# KiCad board FlightComputer.kicad_pcb (continued)
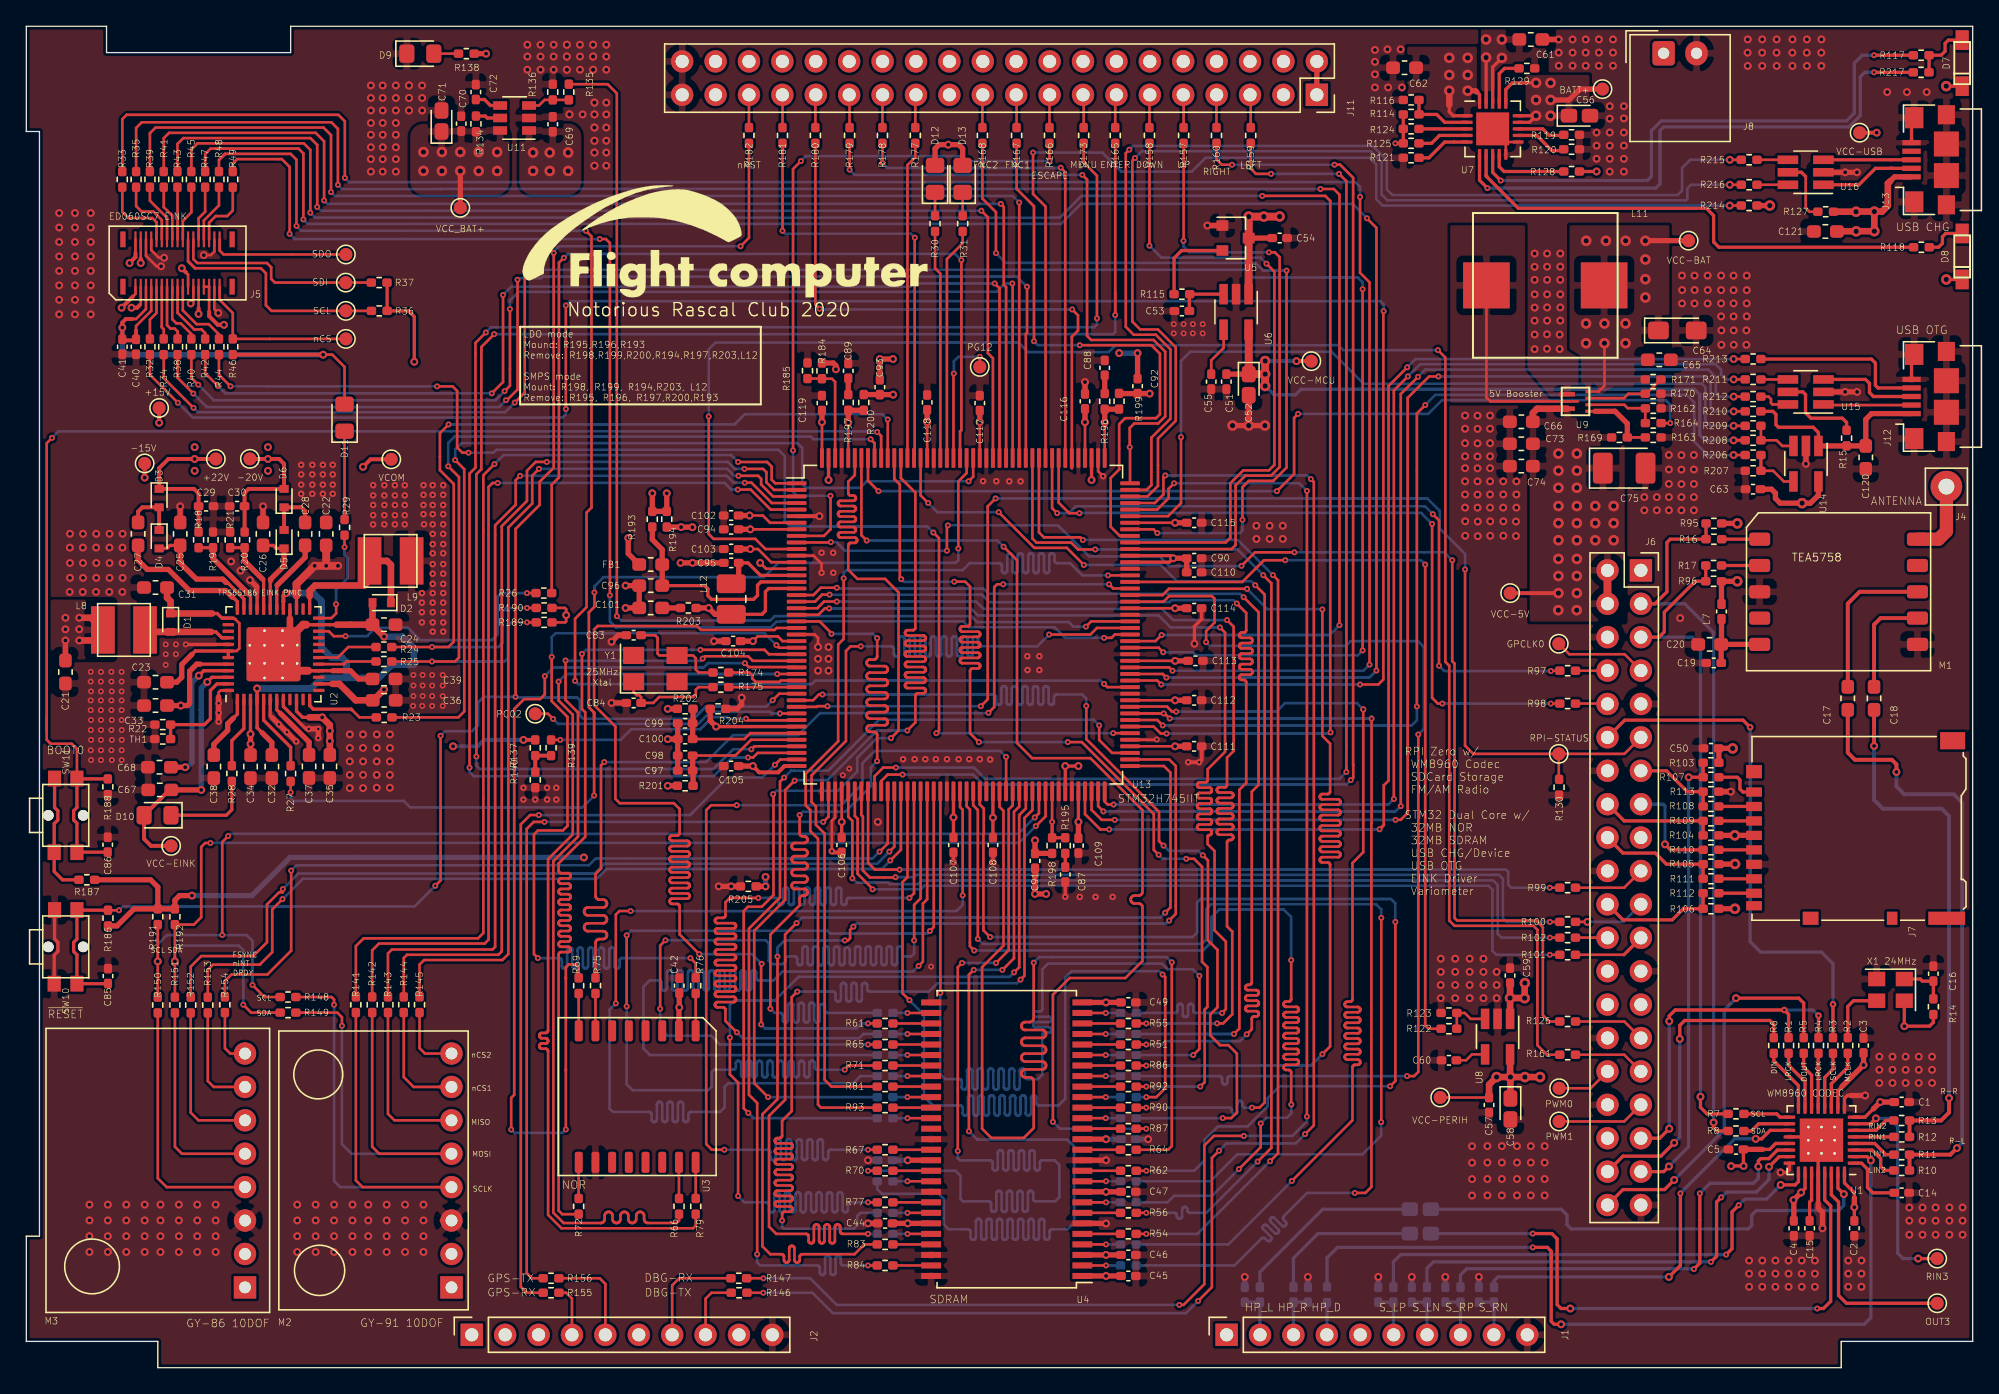
[diagram p0: board, top side]
## Routing (per net, layer and track width the routed paths; a pad name or vN(x,y) marks a point on that pad's centre or on a via; arc(x,y) is an arc through that point) (continued)
  Top w0.4: C67.2 13.29,43.94 v2(13.3,43.93)
  In2.Cu w0.4: 22.57,77.04 28.95,77.04 v2(29.5,76.49) 29.5,61.92 28.64,61.06 28.64,43.57 28,42.93 14.3,42.93 v2(13.3,43.93)
  Bottom w0.4: v2(7.3,79.09) 7.3,77.44 7.71,77.03 v2(22.57,77.03) ; v2(13.3,43.93) 13.3,49.34 ; 13.3,49.34 13.3,51.68 v2(13.76,52.14) ; 13.3,49.34 13.3,50.86
VCC_MCU: length 196
  Top w0.2: R190.1 40.95,57.77 41.05,57.67 v2(41.05,57.23) 41.05,56.75 40.98,56.67 R189.1 ; U13.99 v2(87.35,50.75) ; v2(55.25,55.25) 55.61,55.61 57.15,55.61 57.51,55.25 U13.25 ; U13.105 v2(87.35,53.75) ; U13.113 v2(87.35,57.75) ; U13.126 v2(87.35,64.25) ; v2(62,41.5) U13.48 ; U13.136 v2(80.5,71.9) ; v2(55.05,62.25) 55.64,62.25 56.64,61.25 U13.13 ; U13.152 v2(72.5,71.9) ; U13.92 v2(87.35,47.25) ; U13.8 v2(55.05,63.75) ; v2(55,64.8) 56,64.8 56.55,64.25 U13.7 ; U13.160 v2(68.5,71.9) ; U13.71 73.5,43.8 ; U13.84 80,43.7 ; U13.176 v2(60.5,71.9)
  Top w0.25: v2(80,41.5) U13.84 ; U13.71 v2(73.5,41.83) C108.1 ; C106.1 v2(62,41.5) ; R208.2 v2(129.82,70.52) ; U13.121 87.01,61.75 v2(87.21,61.55) 86.91,61.25 U13.120 ; C107.1 v2(70.5,41.85) U13.65
  Top w0.3: TP18.1 v2(96.58,76.54) ; U13.44 57.65,45.75 57.17,45.27 55.73,45.27 v2(55.25,45.75)
  Top w0.4: FB1.1 45.77,61.91 v2(45.77,63.09) ; v2(80,41.5) C109.1 ; C105.1 v2(55.25,45.75) ; v2(87.21,61.55) C90.1 C110.1 ; R184.1 61.36,76.4 61.56,76.2 v2(61.56,75.92) ; R191.1 R192.1 11.3,35.55 11.65,35.9 v2(12.6,35.9) 12.59,35.92 ; R191.1 10,36.55 9.45,37.1 R187.2 ; R191.1 8.19,34.89 6.89,33.59 R186.2 ; v2(87.35,50.75) C112.1 ; v2(87.35,53.75) C113.1 ; D12.2 69.1,92.7 69.4,93 v2(70.1,93) 70.9,93 71.2,92.7 D13.2 ; C104.1 v2(55.25,55.25) ; C116.1 v2(80.5,71.9) ; C94.1 v2(55.05,63.75) ; v2(87.35,57.75) C114.1 ; v2(87.35,47.25) C111.1 ; v2(87.35,64.25) C115.1 ; C52.1 91.25,75.55 C51.1 ; C102.1 v2(55,64.8) ; v2(72.5,71.9) C117.1 ; J11.1 J11.2 ; C103.1 v2(55.05,62.25) ; R202.2 v2(48.77,50.1) ; v2(68.5,71.9) C118.1 ; v2(60.5,71.9) C119.1 ; R201.2 v2(48.77,44.25)
  Top w0.6: v4(94.2,75.55) C52.1 92.95,78.92 U6.5 ; v4(94.2,75.55) v4(94.2,74.65) ; v4(94.2,75.55) v4(94.2,76.55)
  Bottom w0.25: v4(94.2,74.65) 94.88,73.97 96.5,73.97 96.92,74.4 126.85,74.4 127.24,74.01 127.24,70.93 127.65,70.52 v2(129.82,70.52)
  Bottom w0.3: v2(96.58,76.54) 94.21,76.54 v4(94.2,76.55)
  Bottom w0.4: v2(12.6,35.9) 17.15,35.9 20.05,38.8 v2(42.4,38.8)
VCC_PERIH: length 46.6
  Top w0.2: TP20.1 107.52,20.54 C57.1
  Top w0.25: v2(13.12,52.62) 13.49,53 U2.45
  Top w0.4: C68.2 v2(12.08,45.66) ; C47.2 v2(82.1,13.38) U4.9 ; U4.27 v2(82.1,27.78) C49.2 ; U4.1 v2(82.1,6.97) C45.2 ; C46.2 v2(82.1,8.58) U4.3 ; C44.2 v2(67.03,10.97) U4.49 ; 49.63,25.62 U3.2 49.62,27.38 v2(49.65,27.4) C42.1 ; U4.14 v2(82.1,17.38) ; U4.43 v2(67.03,15.78)
  Top w0.5: C57.1 111.22,21.53 v4(111.8,22.1) v4(112.85,22.1) ; C58.1 v4(112.85,22.1) ; v4(112.85,22.1) 112.83,22.12 U8.5 112.88,23.78 ; v4(112.85,22.1) v4(113.95,22.1) v4(115.1,22.1)
  Bottom w0.4: C43.2 v2(67.03,15.78) ; v2(13.12,52.62) 12.6,52.1 12.6,46.02 12.24,45.66 v2(12.08,45.66) ; C48.2 v2(82.1,17.38)
VCC_USB: length 28.4
  Top w0.25: 119.42,90.97 119.44,90.99 ; U7.18 111.5,98.9 v4(112.2,99.6) ; D7.2 v4(145.99,97.45) ; U7.19 v4(111,99.62) ; v1(104.1,93.1) R125.2 R124.2 R114.1 ; v4(145.99,82.75) D8.2 ; R128.2 v2(119.4,90.96)
  Top w0.3: TP23.1 v2(140.7,93.91)
  Top w0.4: J13.1 142.05,90.55 141.72,90.22 ; R214.2 v4(132.57,88.37)
  Top w0.5: R127.1 v4(139.13,87.9) 139.14,87.91 v4(140.52,87.91) ; v4(140.52,87.91) v4(140.52,86.42) 139.15,86.42 v4(139.14,86.41) 137.69,86.41 C121.1 ; v4(140.52,87.91) 141.11,87.91 141.55,88.35 141.55,90.05 141.72,90.22
  vias: v4(111,101) v4(112.2,101)
+BATT: length 10.8
  Top w0.25: U7.16 112.5,97.2 113,97.7 v4(114.8,97.7) ; U7.15 v4(114.8,95.2) 114.3,94.7 U7.14
  Top w0.4: v4(115.9,96.4) 117.3,96.4 118.12,97.22 TP17.1
  vias: v4(114.8,96.4) v4(115.9,97.7) v4(115.9,95.2)
/Codec/HPDETECT: length 2.5
  Bottom w0.25: J1.4 98.9,2.51 R9.2
/Codec/I2C_SCL: length 51
  Top w0.25: J6.5 124.15,55.55 124.55,55.95 124.55,57.45 126.9,59.8 R96.2 R17.2 ; v2(127.3,20.6) 127.3,19.8 127.8,19.3 R7.2
  Bottom w0.25: v2(127.3,20.6) 127.3,54.9 126.65,55.55 J6.5
/Codec/I2C_SDA: length 55.7
  Top w0.25: v2(128.3,18.65) 128.3,18.24 128.54,18 R8.2 ; J6.3 123.84,58.09 124.75,59 124.75,62.75 125,63 R16.2 R95.2
  Bottom w0.25: J6.3 126.11,58.09 128.3,55.9 v2(128.3,18.65)
/Codec/I2S_DIN: length 23.5
  Top w0.25: v2(125.3,17.1) 124.29,16.09 121.41,16.09 J6.38 ; v2(125.72,25) 125.72,26.03 126.1,26.4 132.57,26.4 132.88,26.1 R6.2
  Bottom w0.25: v2(125.72,25) 125.72,17.53 v2(125.3,17.1)
/Codec/I2S_DOUT: length 29.6
  Top w0.25: J6.40 121.41,13.55 124.57,13.55 v2(125.3,14.28) ; v2(130,28.1) 134.78,28.1 135.15,27.72 R5.2
  Bottom w0.25: v2(125.3,14.28) 129.1,18.08 129.1,27.2 v2(130,28.1)
/Codec/I2S_LRCK: length 26.7
  Top w0.25: J6.35 124.2,17.45 v2(124.92,18.17) ; R4.2 v3(136.28,26.78) ; v2(124.92,26.35) 124.92,26.75 125.38,27.2 v3(133.68,27.2) 134,26.88 R1.2
  Bottom w0.25: v3(136.28,26.78) 135.85,27.2 v3(133.68,27.2) ; v2(124.92,18.17) v2(124.92,26.35)
/Codec/I2S_MCLK: length 4.8
  Top w0.25: X1.3 138.94,27.91 138.5,27.47 R2.2
/Codec/I2S_SCLK: length 40.5
  Top w0.25: v3(131.07,48.7) 130.53,49.24 121.54,49.24 J6.12 ; v3(137.38,27.63) 137.38,27.62 R3.2
  Bottom w0.25: v3(137.38,27.63) 137.38,30.72 136.5,31.6 131.88,31.6 131.07,32.4 v3(131.07,48.7)
/Codec/RADIO_L: length 46
  Top w0.3: v2(142.2,45.3) 142.2,45.88 141.85,46.23 139.05,46.23 138.5,46.77 C17.2 ; R10.2 R11.2 146.3,16.2 v2(146.8,16.7)
  Bottom w0.3: v2(146.8,16.7) 147.2,17.1 147.2,42.97 146.57,43.6 142.8,43.6 142.2,44.2 v2(142.2,45.3)
/Codec/RADIO_R: length 40.1
  Top w0.3: R12.2 R13.2 145.6,18.8 146.2,19.4 v2(146.2,20.5) ; C18.2 v2(140.5,47.27)
  Bottom w0.3: v2(140.5,47.27) 140.5,43.17 141.18,42.5 145.65,42.5 146.2,41.95 v2(146.2,20.5)
/DEBUG/DEBUG_JMS-SWDIO: length 50.9
  Top w0.2: R179.1 v1(62.6,91.1) ; U13.132 83.92,69.97 v1(83.9,70) 83.9,71.45 84.25,71.8 86.07,71.8 86.6,72.33 86.6,77.27 85.72,78.15 80.97,78.15 80.66,78.46 80.66,90.34 v1(80.3,90.7)
  Bottom w0.2: v1(80.3,90.7) 63,90.7 v1(62.6,91.1)
/DEBUG/DEBUG_JTCK-SWCLK: length 45.2
  Top w0.2: v1(60.33,80.53) 60,80.85 R180.1 ; v1(79.53,80.47) 79.97,80.03 79.97,78.86 79.5,78.39 79.5,68.39 U13.138
  Bottom w0.2: v1(60.33,80.53) 60.38,80.47 v1(79.53,80.47)
/DEBUG/DEBUG_JTDI: length 37.4
  Top w0.2: v1(78.65,91.25) 79,90.9 U13.139 ; R178.1 v1(65.1,91.61)
  Bottom w0.2: v1(78.65,91.25) 78.62,91.22 65.48,91.22 v1(65.1,91.61)
/DEBUG/DEBUG_JTDO-SWO: length 33.7
  Top w0.2: v1(57.5,86.45) R181.1 ; U13.162 67.5,69.55 67.55,69.6 67.55,85.92 v1(67.56,85.93)
  Bottom w0.2: v1(57.5,86.45) 57.72,86.23 67.26,86.23 v1(67.56,85.93)
/DEBUG/DEBUG_nJTRST: length 24.2
  Top w0.2: R177.1 67.6,92.05 67,91.45 U13.163
/DEBUG/nRST: length 136.8
  Top w0.2: 3.87,34.78 SW10.1 ; v1(56.75,50.75) 57.25,51.25 U13.33 ; 3.87,29.22 SW10.1 ; v1(31.5,48.05) 31.5,37.05 v1(31.1,36.65) ; R186.1 6.22,34.78 v1(7.05,34.78) ; v1(37.2,51.01) 37.2,63.78 39.03,65.61 39.03,67.36 40.1,68.43 v1(40.1,84.77) ; R182.1 54.95,85.91 v1(54.31,85.27)
  Top w0.25: C85.1 6.2,29.2 SW10.1 3.85,31.4 3.6,31.65 3.6,32.35 3.85,32.6 SW10.1 3.86,34.79 R186.1
  Bottom w0.2: v1(31.5,48.05) 31.85,48.4 33.9,48.4 34.35,48.85 34.35,50.59 34.77,51.01 v1(37.2,51.01) 37.25,50.96 41.87,50.96 42.1,50.73 42.1,49.6 42.35,49.35 50.75,49.35 51.68,50.28 56.28,50.28 v1(56.75,50.75) ; v1(54.31,85.27) 40.51,85.27 40.1,84.86 v1(40.1,84.77) ; v1(7.05,34.78) 7.34,35.08 29.52,35.08 v1(31.1,36.65)
/EINK-PMIC/EPD_CKV: length 112.9
  Top w0.2: v1(42.55,86.45) 42.98,86.03 42.98,65.4 42.6,65.03 42.6,57.83 41.72,56.95 v1(41.72,52.23) ; R48.2 14.65,91.83 15.12,92.3 20.1,92.3 20.55,91.86 v1(20.55,86.82) ; U13.101 82.2,51.75 v1(81.95,52) ; 14.65,91.85 15.1,92.3
  Bottom w0.2: v1(81.95,52) 81.7,52.25 60,52.25 59.73,51.98 41.97,51.98 v1(41.72,52.23) 41.99,51.96 ; v1(20.55,86.82) 20.91,86.45 v1(42.55,86.45)
/EINK-PMIC/EPD_CL: length 153.4
  Top w0.2: v1(41.03,80.78) v1(41.03,72.9) ; v1(86.3,51.95) 86,52.25 U13.102 ; R32.1 9.4,75.5 v1(11.52,73.38) ; v1(103.21,80.34) 103.18,80.31 103.18,52.33 102.8,51.95 v1(101.41,51.95)
  Bottom w0.2: v1(86.3,51.95) v1(101.41,51.95) ; v1(11.52,73.38) 12.65,72.25 40.77,72.25 41.03,72.5 v1(41.03,72.9) ; v1(41.03,80.78) 41.35,81.1 102.96,81.1 103.21,80.85 v1(103.21,80.34)
/EINK-PMIC/EPD_D0: length 89.7
  Top w0.2: v1(36.47,73.57) 36.54,73.57 37.35,74.38 v1(37.35,82.73) ; v1(12.7,74.08) 11.5,75.28 R38.1 ; v1(76.09,82.2) 76.09,78.69 76,78.6 U13.145
  Bottom w0.2: v1(12.7,74.08) 13.7,73.08 13.7,73.05 35.95,73.05 v1(36.47,73.57) ; v1(76.09,82.2) 75.33,82.97 39.26,82.97 39.13,82.84 37.46,82.84 v1(37.35,82.73)
/EINK-PMIC/EPD_D1: length 93.7
  Top w0.2: v1(75.5,88.6) U13.146 75.5,69.38 ; v1(23.17,89.39) 23.17,93.73 22.6,94.3 9.83,94.3 9.4,93.87 R39.2
  Bottom w0.2: v1(75.5,88.6) 75,89.1 23.46,89.1 v1(23.17,89.39)
/EINK-PMIC/EPD_D2: length 85.7
  Top w0.2: R40.1 12.55,75.28 v1(13.07,74.75) ; v1(74.97,82.44) 75,82.42 U13.147 ; v1(36.77,80.5) 36.77,74.66 v1(36.37,74.26)
  Bottom w0.2: v1(13.07,74.75) 14.26,73.56 35.67,73.56 v1(36.37,74.26) ; v1(74.97,82.44) 74.55,82.44 74.54,82.45 74.42,82.45 73.79,81.82 67.4,81.82 67.38,81.8 37.43,81.8 36.77,81.15 v1(36.77,80.5)
/EINK-PMIC/EPD_D3: length 90.7
  Top w0.2: R41.2 10.45,93.49 10.86,93.9 22,93.9 22.64,93.25 v1(22.64,88.75) ; v1(74.1,88.5) 74.32,88.28 74.32,82.35 74.5,82.17 U13.148
  Bottom w0.2: v1(74.1,88.5) 22.9,88.5 v1(22.64,88.75)
/EINK-PMIC/EPD_D4: length 82.8
  Top w0.2: U13.149 74,82.08 v1(73.64,82.44) ; v1(35.39,74.09) 36.25,74.95 v1(36.25,81.58) ; R42.1 13.6,75.62 v1(14.57,74.65)
  Bottom w0.2: v1(14.57,74.65) 15.13,74.09 v1(35.39,74.09) ; v1(36.25,81.58) 36.88,82.2 67.21,82.2 67.45,82.44 v1(73.64,82.44)
/EINK-PMIC/EPD_D5: length 87.6
  Top w0.2: R43.2 11.49,93.05 11.94,93.5 21.6,93.5 22.12,92.98 v1(22.12,88.27) ; v1(72.62,87.97) 73.11,87.48 73.11,77.15 73.5,76.76 U13.150
  Bottom w0.2: v1(72.62,87.97) 22.41,87.97 v1(22.12,88.27)
/EINK-PMIC/EPD_D6: length 96.7
  Top w0.2: v1(15.53,74.62) 14.65,75.5 R44.1 ; v1(31.23,74.62) 32.41,74.62 32.76,74.27 32.76,69.97 33.15,69.58 v1(33.62,69.58) ; U13.94 v1(82.65,48.25) ; v1(69.2,48.25) 69.4,48.45 69.4,63.08 v1(68.97,63.51)
  Bottom w0.2: v1(31.23,74.62) 18.36,74.62 18.35,74.62 v1(15.53,74.62) ; v1(68.97,63.51) 68.51,63.97 58.1,63.97 57.67,64.4 57.67,69.32 57.19,69.8 35.74,69.8 35.52,69.58 v1(33.62,69.58) ; v1(82.65,48.25) v1(69.2,48.25)
/EINK-PMIC/EPD_D7: length 150.4
  Top w0.2: v1(86.7,48.22) 86.25,48.22 85.72,48.75 U13.95 ; R45.2 12.55,92.63 13.02,93.1 21.1,93.1 21.59,92.61 v1(21.59,87.83) ; v1(93.98,89.11) 98.77,89.11 99.15,88.72 99.15,48.33 v1(99.17,48.31)
  Bottom w0.2: v1(99.17,48.31) 99.08,48.22 v1(86.7,48.22) ; v1(93.98,89.11) 80.24,89.11 78.58,87.45 21.97,87.45 v1(21.59,87.83)
/EINK-PMIC/EPD_GMODE: length 150
  Top w0.2: v1(102.66,53.01) 102.66,86.68 v1(101.94,87.4) ; U13.103 86.42,52.75 v1(86.69,52.48) ; v1(21.07,87.31) 21.07,92.33 20.7,92.7 14.01,92.7 13.6,92.29 R47.2
  Bottom w0.2: v1(102.66,53.01) 102.12,52.48 v1(86.69,52.48) ; v1(101.94,87.4) 100.84,88.5 80.2,88.5 78.68,86.98 21.41,86.98 v1(21.07,87.31)
/EINK-PMIC/EPD_LE: length 158.9
  Top w0.2: v1(101.41,89.03) 101.41,83.26 102.13,82.53 v1(102.13,53.46) ; U13.104 86.9,53.25 v1(87.15,53) ; v1(24.22,90.48) 24.22,94.78 23.73,95.27 7.63,95.27 7.3,94.94 R33.2
  Bottom w0.2: v1(87.15,53) 101.67,53 v1(102.13,53.46) ; 49.56,90.16 49.56,90.15 24.55,90.15 v1(24.22,90.48) ; 49.56,90.16 101.05,90.16 101.41,89.79 v1(101.41,89.03) ; 49.56,90.16 48.84,90.16
/EINK-PMIC/EPD_OE: length 150.2
  Top w0.2: v1(38.96,83.45) 38.32,83.45 37.9,83.03 37.9,74.15 v1(37.14,73.39) ; U13.107 86.1,54.75 v1(86.45,54.4) ; R34.1 10.45,75.25 v1(12.71,72.99) ; v1(101.61,54.54) v1(101.61,82.01)
  Bottom w0.2: v1(86.45,54.4) 88.7,54.4 88.93,54.17 101.24,54.17 v1(101.61,54.54) ; v1(37.14,73.39) 36.4,72.65 13.05,72.65 v1(12.71,72.99) ; v1(38.96,83.45) 39,83.49 92.72,83.49 93.31,82.9 101.25,82.9 101.61,82.54 v1(101.61,82.01)
/EINK-PMIC/EPD_PMIC_PWRUP: length 71.5
  Top w0.2: R26.1 39.95,67.14 40.5,67.69 40.5,84.03 v1(40.88,84.4) ; v1(71.1,84.22) 71.1,71.29 71,71.19 U13.155
  Bottom w0.2: v1(71.1,84.22) 70.63,84.69 41.16,84.69 v1(40.88,84.4)
/EINK-PMIC/EPD_PMIC_SCL: length 66.4
  Top w0.2: v1(32.08,68.54) 32.9,67.73 32.9,54 32.6,53.7 v1(30.85,53.7) R25.1 ; v1(38.08,56.67) R189.2 ; v1(64.2,70.6) 64.5,70.3 U13.168
  Bottom w0.2: v1(64.2,70.6) 59.85,70.6 59.65,70.8 55.7,70.8 32.56,70.8 32.08,70.32 v1(32.08,68.54) ; v1(38.08,56.67) 36.9,56.67 36.63,56.4 36.63,53.95 36.38,53.7 v1(30.85,53.7)
/EINK-PMIC/EPD_PMIC_SDA: length 69.5
  Top w0.2: v1(38.08,57.77) R190.2 ; R24.1 v1(30.85,54.8) 32.1,54.8 32.5,55.2 32.5,67.2 31.45,68.25 31.45,71.06 v1(32.11,71.72) ; v1(65.5,72.1) U13.166
  Bottom w0.2: 53.92,71.79 54.63,72.5 65.1,72.5 v1(65.5,72.1) ; 53.92,71.79 53.85,71.72 v1(32.11,71.72) ; 53.92,71.79 53.86,71.73 ; v1(38.08,57.77) 36.5,57.77 36.23,57.5 36.23,55.12 35.9,54.8 v1(30.85,54.8)
/EINK-PMIC/EPD_PMIC_VCOM: length 70.3
  Top w0.2: R23.1 32.85,49.45 33.3,49.9 33.3,68.32 v1(32.61,69.01) ; v1(71.65,67.4) 72,67.75 U13.153
  Bottom w0.2: v1(32.61,69.01) 32.62,69.03 32.62,69.83 33.09,70.3 58.65,70.3 59,69.95 59,67.2 59.3,66.9 63.4,66.9 63.9,67.4 v1(71.65,67.4)
/EINK-PMIC/EPD_PMIC_WAKEUP: length 78.6
  Top w0.2: U13.154 71.5,68.03 70.87,67.4 v1(70.87,62.29) ; v1(43.17,43.51) 43.17,49.47 ; 43.17,49.47 43.17,49.82 ; 43.17,49.47 43.17,49.82 ; v1(43.2,58.95) 43.2,57.86 42.77,57.44 42.77,50.22 43.17,49.82 ; 43.17,49.82 42.87,50.12 ; R27.1 v1(20.1,43.75)
  Bottom w0.2: v1(70.87,62.29) 70.87,61.4 70.67,61.2 57.18,61.2 56.09,60.11 43.89,60.11 43.2,59.42 v1(43.2,58.95) ; v1(20.1,43.75) 20.1,43.3 20.3,43.1 28.7,43.1 29.2,42.6 42.27,42.6 v1(43.17,43.51)
/EINK-PMIC/EPD_SPH: length 148.9
  Top w0.2: R35.2 8.35,94.27 8.78,94.7 23.2,94.7 23.7,94.2 v1(23.7,89.94) ; v1(86.32,55.72) 85.86,55.25 U13.108 ; v1(98.41,89.63) 99.42,89.63 99.85,89.2 v1(99.85,56.46)
  Bottom w0.2: v1(99.85,56.46) 99.11,55.72 v1(86.32,55.72) ; v1(98.41,89.63) 33.82,89.63 ; 33.82,89.63 33.81,89.62 ; 33.82,89.63 31.5,89.63 31.49,89.62 24.01,89.62 v1(23.7,89.94)
/EINK-PMIC/EPD_SPV: length 104.4
  Top w0.2: v1(43.6,85.83) 44.07,85.83 44.38,85.53 v1(44.38,58.73) ; v1(20.02,86.22) 20.02,91.31 19.43,91.9 16.03,91.9 15.7,91.57 R49.2 ; v1(81.95,55.5) 82.52,55.5 82.77,55.75 U13.109
  Bottom w0.2: v1(81.95,55.5) 79,55.5 78.2,56.3 71.69,56.3 71.24,56.75 57.36,56.75 57.33,56.72 57.04,56.72 56.62,56.3 44.83,56.3 44.38,56.76 v1(44.38,58.73) ; v1(20.02,86.22) 20.41,85.83 v1(43.6,85.83)
/EINK-PMIC/VCOM: length 56
  Top w0.2: v2(12.5,80.92) 12.7,81.12 J5.23 ; J5.21 12.3,83.12 12.15,83.28
  Top w0.25: U2.14 23.28,52
  Top w0.3: v2(11.82,83.6) 12.15,83.28 ; v2(25.6,68.5) 26.18,69.08 TP12.1
  Top w0.5: v2(27.2,51.57) 26.38,50.75 C36.1 25.05,50.75 23.8,52 23.28,52
  In2.Cu w0.3: v2(11.82,83.6) 11.82,83.59 11.82,81.61 v2(12.5,80.92)
  In2.Cu w0.4: v2(12.5,80.92) 15.18,80.92
  In2.Cu w0.5: v2(27.2,51.57) 27.2,53.23 25.6,54.83 v2(25.6,68.5) 25.6,73.95 24.65,74.9 18.49,74.9 17.93,75.45 17.93,80.25 17.27,80.92 15.18,80.92
/EINK-PMIC/VN: length 60.8
  Top w0.25: 21.27,56.5 U2.23 23.08,56.5 23.08,56.5 23.6,56.5 ; 21.43,53 U2.16 23.3,53 ; v2(17.55,51.65) U2.4 17.55,48.67 17.93,48.28 ; 20.05,55.5 U2.49 ; U2.29 19.55,58.25 ; U2.28 20.05,56.95 ; 17.55,51.65 17.55,51.65 ; 19.55,56.11 U2.49
  Top w0.3: 19.55,58.25 19.55,58.25 19.55,58.7 v2(19.75,58.9)
  Top w0.4: 17.93,48.28 18.67,47.54 C32.2 ; C39.2 25.27,52.37 24.64,53 23.3,53
  Top w0.5: 23.6,56.5 C24.2 ; D2.2 C24.2 ; C24.2 26.32,56.47 v2(27.2,55.59) ; U2.49 20.05,55.5 20.05,56.95
  Top w0.6: 21.43,53 20.05,53 U2.49 ; 19.55,55 U2.49 ; U2.49 21.05,56.5 21.27,56.5 ; U2.49 17.55,53
  Bottom w0.5: v2(27.2,55.59) 28.61,55.59 29.45,54.75 29.45,53.45 27.8,53.45 26.8,52.45 24.35,52.45 ; v2(17.55,51.65) 21.65,51.65 22.45,52.45 24.35,52.45 ; 24.35,52.45 24.35,53.65 24,54 23.2,54 22.45,54.75 22.45,58.3 21.85,58.9 v2(19.75,58.9)
/EINK_MISO: length 62.7
  Top w0.2: U13.51 63.5,42.02 63.61,41.91 63.61,37.81 64.15,37.28 66.17,37.28 66.18,37.27 ; R100.2 v1(115.85,33.9)
  Bottom w0.2: v1(66.09,37.3) 67.48,37.3 67.65,37.47 67.95,37.47 111.98,37.47 112.28,37.17 112.28,34.17 112.55,33.9 v1(115.85,33.9)
/EINK_MOSI: length 59.4
  Top w0.2: U13.52 64.01,43.81 64.01,38.39 64.52,37.88 66.4,37.88 v1(66.4,37.87) ; R99.2 v1(115.84,36.5)
  Bottom w0.2: v1(115.84,36.5) 112.92,36.5 112.68,36.74 112.68,37.7 112.51,37.87 66.4,37.88 v1(66.4,37.87)
/EINK_nCS: length 64.9
  Top w0.2: 115.88,32.7 115.86,32.72 ; U13.49 62.5,41.89 62.81,41.58 62.81,37.21 v1(62.81,37.21) ; R102.1 v1(115.85,32.7)
  Bottom w0.2: v1(62.81,37.21) 63.14,36.88 64.08,36.88 64.1,36.9 65.53,36.9 65.65,36.77 67.82,36.77 68.1,37.05 111.54,37.05 111.88,36.71 111.88,32.99 112.17,32.7 v1(115.85,32.7)
/EINK_SCLK: length 65.3
  Top w0.2: U13.50 63,41.95 63.21,41.74 63.21,37.55 64.35,36.42 v1(64.35,36.37) ; R101.2 v1(115.84,31.4)
  Bottom w0.2: v1(115.84,31.4) 111.78,31.4 111.48,31.7 111.48,36.35 111.18,36.65 68.28,36.65 68.01,36.37 v1(64.35,36.37)
/IMU1_MISO: length 70.2
  Top w0.2: R143.2 27.5,31.5 27.8,31.8 35.45,31.8 35.65,32 35.65,64.06 37.21,65.62 37.21,67.48 v1(37.54,67.82) ; v1(54.63,67.3) 55.14,67.3 56.68,65.75 U13.4
  Bottom w0.2: v1(54.63,67.3) 53.79,67.3 53.26,67.82 37.55,67.82 v1(37.54,67.82)
/IMU1_MOSI: length 71.5
  Top w0.2: v1(35.84,67.28) 35.45,67.28 35.15,66.97 35.15,32.55 34.85,32.25 26.82,32.25 26.3,31.73 R142.2 ; U13.5 56.6,65.25 55.08,66.77 v1(54.1,66.77)
  Bottom w0.2: v1(54.1,66.77) 53.61,66.77 53.1,67.28 v1(35.84,67.28)
/IMU1_nCS1: length 70.1
  Top w0.2: v1(39.58,68.87) 38.73,68.87 38.07,68.21 38.07,65.91 36.15,63.99 36.15,31.65 35.9,31.4 28.95,31.4 28.7,31.15 R144.2 ; U13.2 56.85,66.75 56.27,67.33 56.27,68.1 56.02,68.34 v1(54.61,68.34)
  Bottom w0.2: v1(54.61,68.34) 53.87,68.34 53.34,68.87 v1(39.58,68.87)
/IMU1_nCS2: length 68.2
  Top w0.2: v1(38.98,68.35) 38.47,67.84 38.47,65.71 36.65,63.89 36.65,40.5 ; U13.3 56.78,66.25 55.87,67.16 55.87,67.6 55.65,67.82 v1(54.15,67.82) ; R145.2 29.9,30.65 30.25,31 36.2,31 36.65,31.45 36.65,40.5 ; 36.65,40.5 36.65,40.39
  Bottom w0.2: v1(54.15,67.82) 53.83,67.82 53.3,68.35 v1(38.98,68.35)
/IMU1_SCLK: length 74.7
  Top w0.2: U13.1 56.95,67.25 56.67,67.53 56.67,68.53 56.33,68.87 v1(54.12,68.87) ; R141.2 25.06,32.06 25.65,32.65 34.35,32.65 34.75,33.05 34.75,67.86 v1(35.6,68.71)
  Bottom w0.2: v1(35.6,68.71) 36.29,69.4 53.59,69.4 v1(54.12,68.87)
/IMU2_DRDY: length 63.5
  Top w0.2: R154.2 15.1,29.4 15.6,29.9 18.33,29.9 20.14,31.71 v1(20.14,37.8) ; v1(64.88,39.24) 65.5,39.86 U13.55
  Bottom w0.2: v1(64.88,39.24) 64.36,38.72 43.3,38.72 42.78,38.2 20.54,38.2 v1(20.14,37.8)
/IMU2_FSYNC: length 65.6
  Top w0.2: v1(19.5,36.4) 19.5,36.17 19.49,36.16 19.23,36.16 18.3,35.23 18.3,32.35 17.25,31.3 13.3,31.3 12.5,30.5 R152.2 ; U13.56 66,39.62 v1(65.63,39.24)
  Bottom w0.2: v1(19.5,36.4) 20.68,37.58 43.21,37.58 43.95,38.32 64.7,38.32 v1(65.63,39.24)
/IMU2_nINT: length 64.9
  Top w0.2: v1(19.48,35.63) 18.7,34.85 18.7,31.6 17.77,30.67 17.77,30.65 14.2,30.65 13.8,30.25 R153.2 ; U13.57 66.5,39.38 v1(65.69,38.57)
  Bottom w0.2: v1(19.48,35.63) 21.03,37.18 43.38,37.18 44.12,37.92 65.04,37.92 v1(65.69,38.57)
/IMU2_SCL: length 92.1
  Top w0.2: v1(14.9,32.9) 14.9,39.98 v1(15.35,40.42) ; R148.1 18.11,28.19 v1(17.2,29.1) ; R150.2 v2(10,30.9) 10,33.69 R191.2 ; v1(76.68,41.84) 77,42.16 U13.78
  Top w0.25: 10,33.8 10,33.81
  Bottom w0.2: v1(15.35,40.42) 15.52,40.6 75.43,40.6 v1(76.68,41.84) ; v1(17.2,29.1) 17.2,32.45 16.75,32.9 v1(14.9,32.9) 10.7,32.9 10,32.2 v2(10,30.9)
/IMU2_SDA: length 93.7
  Top w0.2: R151.2 v2(11.3,30.9) R192.2 12.74,33.69 13.3,34.25 13.3,39.6 13.6,39.9 v1(14,39.9) ; v1(76.76,41.18) 77.5,41.92 U13.79 ; v1(16.5,27.6) 17.1,27 R149.1
  Bottom w0.2: v1(76.76,41.18) 75.48,39.9 v1(14,39.9) ; v2(11.3,30.9) 11.3,31.7 11.7,32.1 16.15,32.1 16.5,31.75 v1(16.5,27.6)
/KEYBOARD/KEY_DOWN: length 48.6
  Top w0.2: U13.123 91.2,62.75 91.55,63.1 91.55,67.25 92.53,68.23 94.48,68.23 94.9,68.65 94.9,83.35 v1(94.3,83.95) ; R158.2 v1(85.4,85.32)
  Bottom w0.2: v1(94.3,83.95) 93.84,84.41 86.31,84.41 v1(85.4,85.32)
/KEYBOARD/KEY_ENTER: length 122.1
  Top w0.2: R165.2 v1(82.8,80.05) 82.8,81.75 ; v1(35.58,78.59) 34.6,77.61 34.6,68.32 34.22,67.94 v1(34.22,46.48) ; v1(55.13,47.02) 55.36,47.25 U13.41
  Bottom w0.2: 44.33,45.52 44.12,45.52 ; 44.33,45.52 34.48,45.52 34.22,45.78 v1(34.22,46.48) ; 44.33,45.52 52.25,45.52 53.74,47.02 v1(55.13,47.02) ; v1(35.58,78.59) 82.64,78.59 82.8,78.75 v1(82.8,80.05)
/KEYBOARD/KEY_ESCAPE: length 54.3
  Top w0.2: v1(58.9,91.75) 58.3,91.15 v1(58.3,69.75) ; v1(61.15,66.3) 61.15,63.75 60.65,63.25 U13.9 ; R166.2 v1(77.8,91.75)
  Bottom w0.2: v1(61.15,66.3) 58.6,66.3 58.3,66.6 v1(58.3,69.75) ; v1(77.8,91.75) 71.55,91.75 71.17,92.13 59.28,92.13 v1(58.9,91.75)
/KEYBOARD/KEY_FUNC1: length 43.4
  Top w0.2: U13.124 83.14,63.25 82.45,63.94 82.45,67.65 83.1,68.3 83.1,71.75 83.55,72.2 85.9,72.2 86.2,72.5 86.2,77.1 85.55,77.75 v1(80.1,77.75) ; v1(76.62,78.05) 76.62,88.32 75.3,89.64 R167.2
  Bottom w0.2: v1(80.1,77.75) 76.92,77.75 v1(76.62,78.05)
/KEYBOARD/KEY_FUNC2: length 62.4
  Top w0.2: v1(92.47,64.47) 92.47,66.95 92.96,67.43 94.82,67.43 95.83,68.44 v1(95.83,83.42) ; v1(86,63.47) 85.72,63.75 U13.125 ; R168.2 72.7,88.9 73.73,87.87 v1(73.73,84.76)
  Bottom w0.2: v1(95.83,83.42) 94.05,83.42 93.46,84.01 74.48,84.01 v1(73.73,84.76) ; v1(92.47,64.47) 92.47,63.65 92.28,63.47 v1(86,63.47)
/KEYBOARD/KEY_LEFT: length 92.4
  Top w0.2: R159.2 93.1,91.18 93.5,90.78 v1(94.65,90.78) ; v1(99.82,90.78) 100.38,90.22 100.38,45.62 v1(100.38,45.3) ; v1(66.12,45.64) 65.16,45.64 64.5,44.98 U13.53
  Bottom w0.2: v1(99.82,90.78) v1(94.65,90.78) ; v1(100.38,45.3) 99.86,44.78 72.9,44.78 72.13,45.56 72.11,45.56 72.03,45.64 v1(66.12,45.64)
/KEYBOARD/KEY_MENU: length 120.6
  Top w0.2: v1(33.7,45.63) 33.7,67.99 34.15,68.44 34.15,77.92 v1(34.94,78.72) ; v1(54.88,46.4) 55.26,46.4 55.61,46.75 U13.42 ; v1(81.41,79.79) 81.41,90.64 80.4,91.65 R173.2
  Bottom w0.2: v1(81.41,79.79) 81.41,79.34 81.19,79.12 35.34,79.12 v1(34.94,78.72) ; v1(54.88,46.4) 53.69,46.4 52.27,44.98 34.02,44.98 33.7,45.3 v1(33.7,45.63)
/KEYBOARD/KEY_RIGHT: length 95.2
  Top w0.2: v1(100.71,44.68) 100.9,44.87 100.9,45.83 100.89,45.84 100.89,90.49 99.9,91.47 v1(99.47,91.47) ; R160.2 90.5,91.88 90.91,91.47 v1(91.68,91.47) ; v1(66.63,45.1) 65.49,45.1 65,44.61 U13.54
  Bottom w0.2: v1(100.71,44.68) 100.38,44.35 72.75,44.35 72,45.1 v1(66.63,45.1) ; v1(91.68,91.47) v1(99.47,91.47)
/KEYBOARD/KEY_UP: length 48.1
  Top w0.2: v1(94.49,84.81) 94.94,84.81 95.3,84.45 95.3,68.48 94.65,67.83 92.7,67.83 91.95,67.08 91.95,62.55 91.65,62.25 U13.122 ; R157.2 88,85.7 v1(87.99,85.69)
  Bottom w0.2: v1(94.49,84.81) 88.44,84.81 87.99,85.26 v1(87.99,85.69)
/MCU/BAT_SENSING: length 19.5
  Top w0.2: R139.1 40.6,47.74 v1(40.6,47.74) ; v1(54.73,49.35) 54.86,49.22 58.55,49.22 U13.37
  Bottom w0.2: v1(54.73,49.35) 53.41,49.35 53.29,49.47 52.17,49.47 51.25,48.55 46,48.55 45.19,47.74 v1(40.6,47.74)
/MCU/BOOT0: length 104.7
  Top w0.2: U13.167 65,70.85 v1(64.7,71.15) ; 1.55,49.55 1.55,48.35 ; 1.55,49.55 1.55,47.75 1.85,47.45 3.45,47.45 3.85,47.05 SW11.1 ; 1.55,49.55 1.55,70.3 v1(1.95,70.7)
  Top w0.25: SW11.1 3.85,42.6 3.6,42.35 3.6,41.65 3.85,41.4 SW11.1 6.19,39.2 C86.1 ; R188.2 3.88,44.77
  Bottom w0.2: v1(1.95,70.7) 2.45,71.2 64.65,71.2 v1(64.7,71.15)
/MCU/EINK_BUSY: length 139
  Top w0.2: U13.11 56.2,62.25 55.43,63.02 52.26,63.02 51.89,63.39 v1(51.89,72.33) ; v1(107.33,77.38) 107.9,76.81 107.9,53.68 108.2,53.38 108.2,34 108.6,33.6 114.6,33.6 114.9,33.3 114.9,24.53 115.62,23.8 R161.2
  Bottom w0.2: v1(107.33,77.38) 100.15,77.38 99.77,77.75 82.81,77.75 82.29,77.22 76.18,77.22 75.45,77.95 52.4,77.95 51.89,77.44 v1(51.89,72.33)
/MCU/EINK_CMD: length 96.4
  Top w0.2: v1(70,62.12) 70,63.98 v1(70.08,64.05) ; v1(108.42,61.4) 108.42,53.72 108.6,53.54 108.6,34.2 108.8,34 114.8,34 115.31,33.49 115.31,26.81 115.8,26.33 R126.2 ; U13.10 61.15,62.75 v1(61.17,62.77) ; v1(92.4,60.98) 93.42,62 v1(96.42,62)
  Bottom w0.2: v1(70.08,64.05) 78.45,64.05 80.81,61.69 86.18,61.69 86.92,60.95 92.37,60.95 v1(92.4,60.98) ; v1(108.42,61.4) 107.82,62 v1(96.42,62) ; v1(70,62.12) 62.25,62.12 61.6,62.77 v1(61.17,62.77)
/MCU/FMC_A0: length 82.2
  Top w0.2: U13.18 59.85,58.75 60.41,59.31 v1(61.62,59.31) ; R51.2 v1(85.16,24.58) ; v1(92.8,25.35) 93.18,25.73 93.18,26.51 93.19,26.55 93.2,26.6 93.22,26.63 93.26,26.67 93.29,26.69 93.34,26.7 93.38,26.71 93.52,26.71 93.56,26.72 93.6,26.73 93.64,26.75 93.67,26.79 93.7,26.82 93.71,26.87 93.72,26.91 93.71,26.95 93.7,27 93.67,27.03 93.64,27.07 93.6,27.09 93.56,27.1 93.52,27.11 92.89,27.11 92.85,27.12 92.81,27.13 92.77,27.15 92.74,27.19 92.71,27.22 92.7,27.27 92.69,27.31 92.7,27.35 92.71,27.4 92.74,27.43 92.77,27.47 92.81,27.49 92.85,27.5 92.89,27.51 93.52,27.51 93.56,27.52 93.6,27.53 93.64,27.55 93.67,27.59 93.7,27.62 93.71,27.67 93.72,27.71 93.71,27.75 93.7,27.8 93.67,27.83 93.64,27.87 93.6,27.89 93.56,27.9 93.52,27.91 92.89,27.91 92.85,27.92 92.81,27.93 92.77,27.95 92.74,27.99 92.71,28.02 92.7,28.07 92.69,28.11 92.7,28.15 92.71,28.2 92.74,28.23 92.77,28.27 92.81,28.29 92.85,28.3 92.89,28.31 93.52,28.31 93.56,28.32 93.6,28.33 93.64,28.35 93.67,28.39 93.7,28.42 93.71,28.47 93.72,28.51 93.71,28.55 93.7,28.6 93.67,28.63 93.64,28.67 93.6,28.69 93.56,28.7 93.52,28.71 92.89,28.71 92.85,28.72 92.81,28.73 92.77,28.75 92.74,28.79 92.71,28.82 92.7,28.87 92.69,28.91 92.7,28.95 92.71,29 92.74,29.03 92.77,29.07 92.81,29.09 92.85,29.1 92.89,29.11 92.98,29.11 93.02,29.12 93.07,29.13 93.1,29.15 93.14,29.19 93.16,29.22 93.17,29.27 93.18,29.31 93.18,43.8 93.7,44.32 93.7,57.45 v1(92.56,58.59)
  Bottom w0.2: v1(61.62,59.31) 61.69,59.24 72.77,59.24 73.16,58.85 92.3,58.85 v1(92.56,58.59) ; v1(85.16,24.58) 86.34,24.58 86.6,24.83 92.28,24.83 v1(92.8,25.35)
